# Altium PCB Thunderscope-E.PCBDOC (part 1 of 4) (continued)
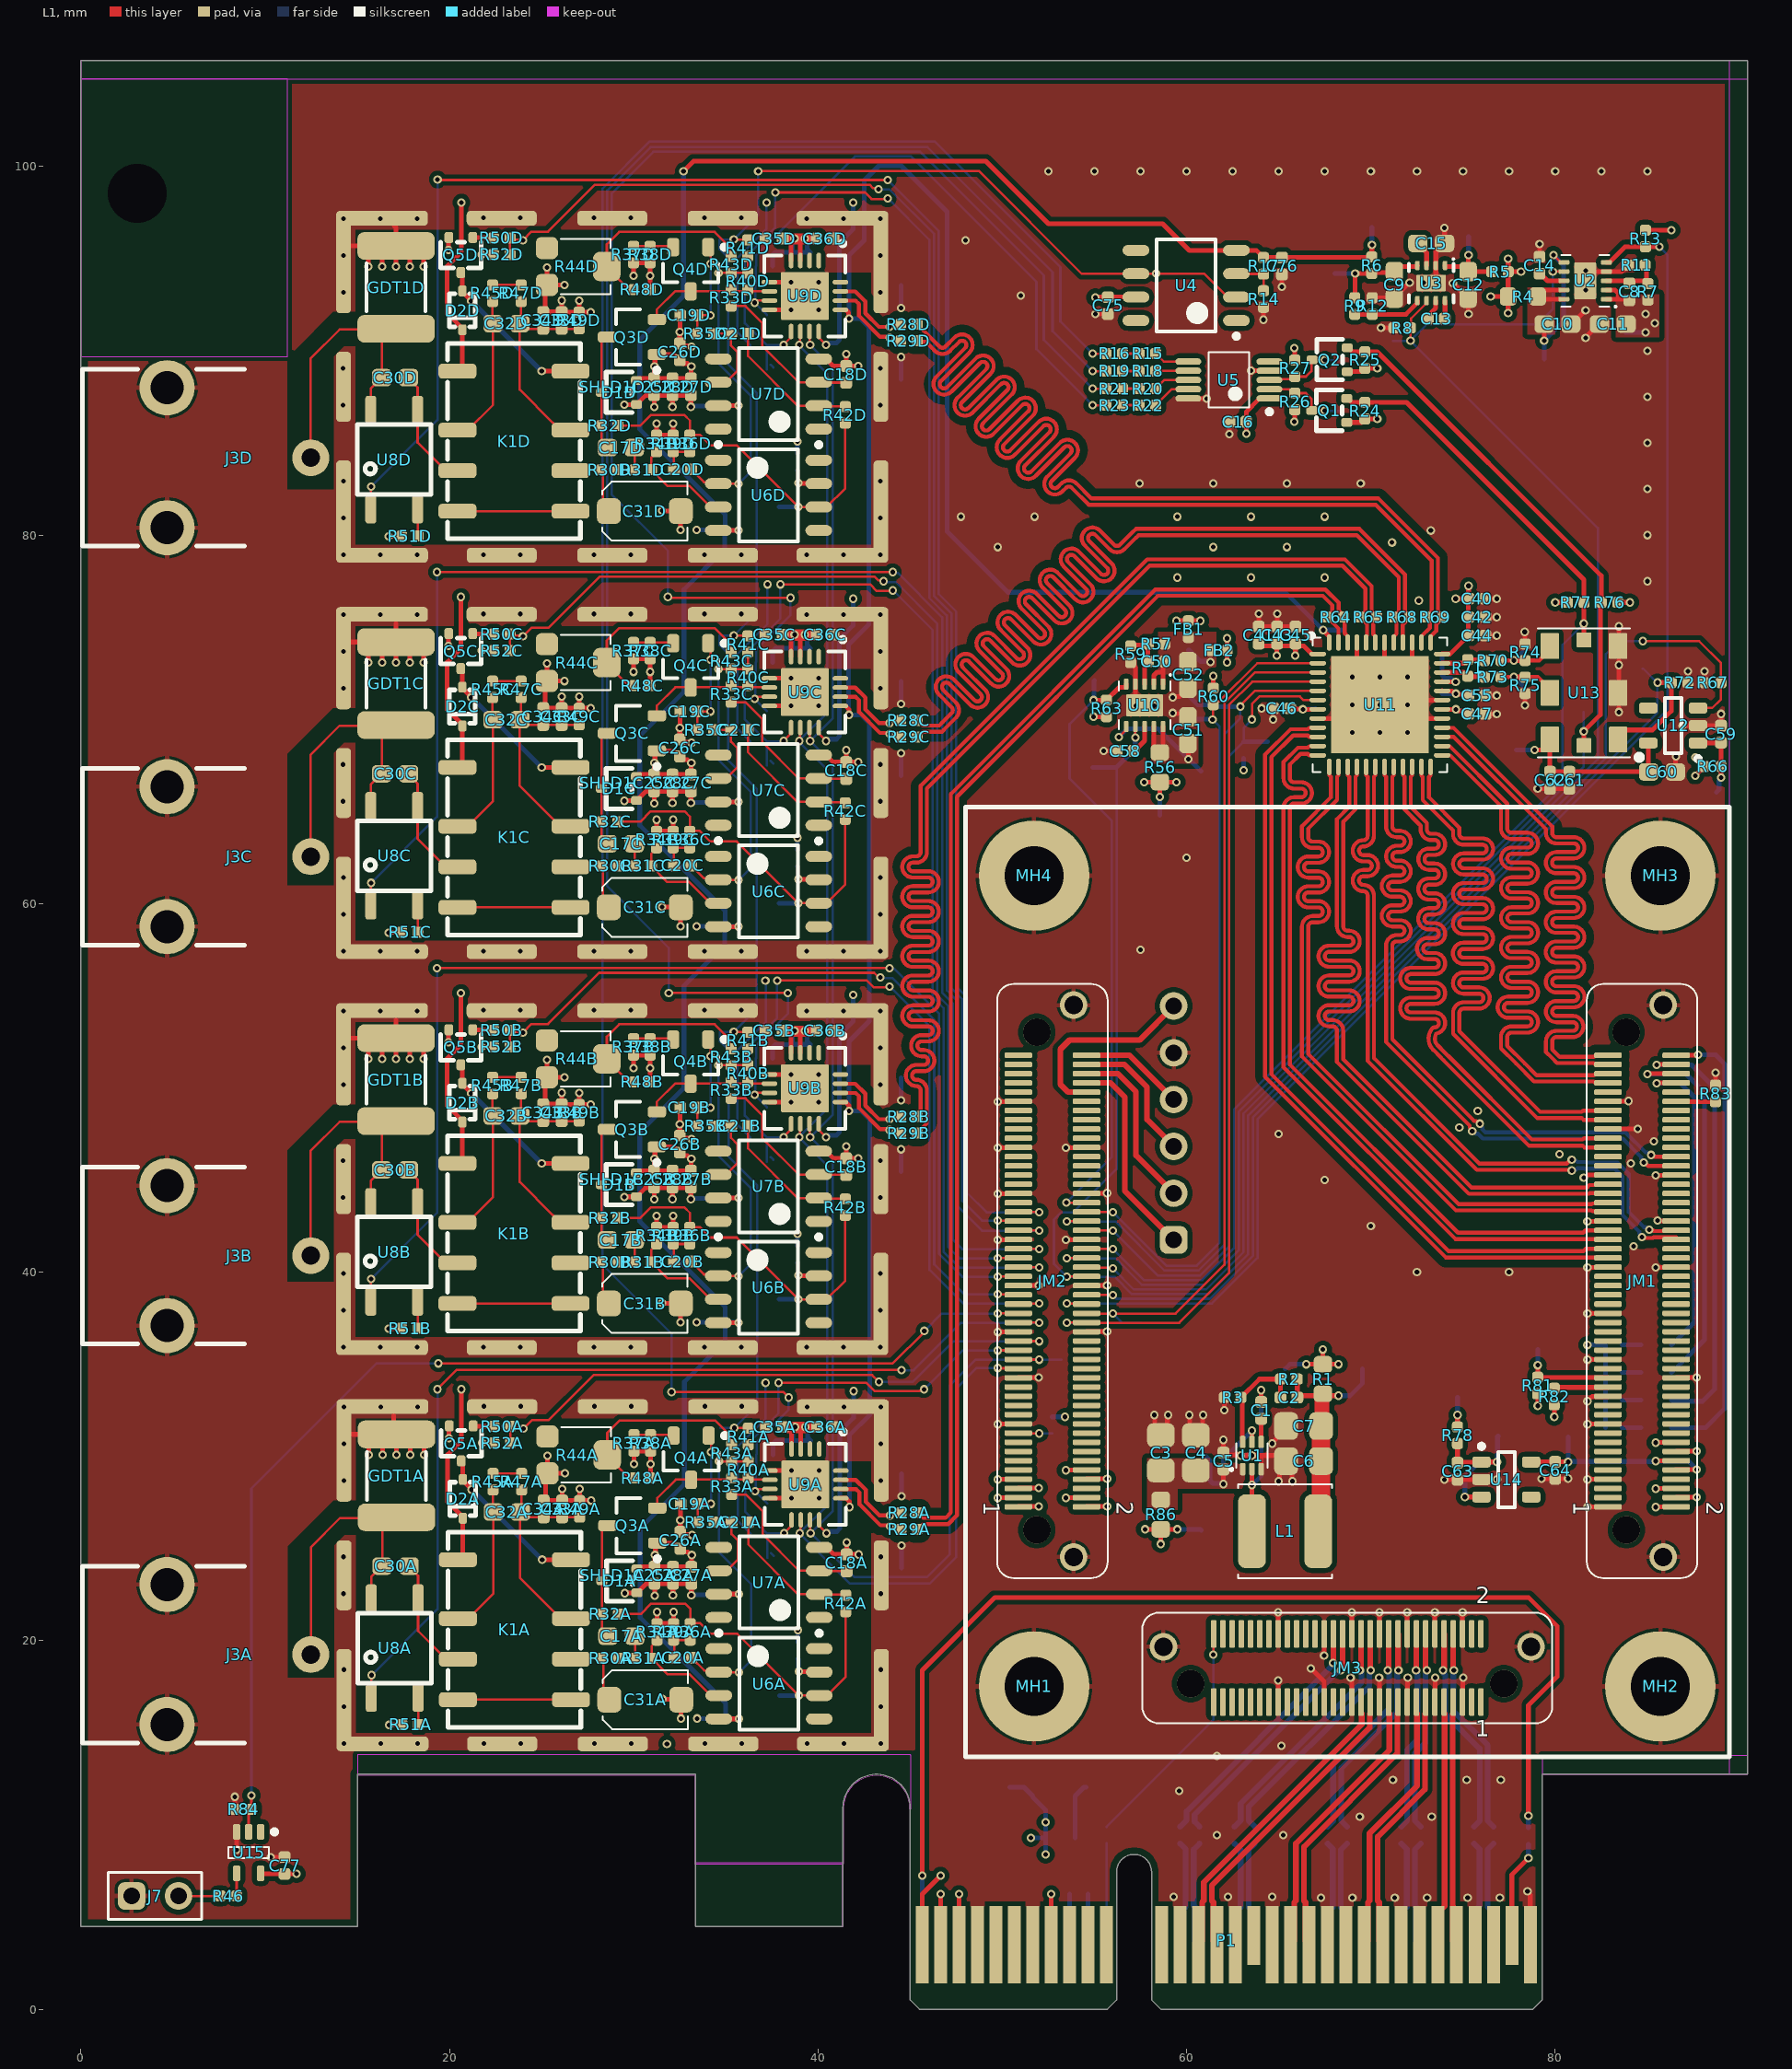
[diagram p0: L1 view]
## Components (designator, comment, footprint, x,y, rotation, side; value= is the part's Value field where it differs from the comment) (continued)
C30D "22nF" GEN_C_0603 17.05,88.55 r180 top (schematic designator C30)
C31A "5.5-20pF" EW_TRIMCAP 30.625,16.8 r90 top (schematic designator C31)
C31B "5.5-20pF" EW_TRIMCAP 30.6,38.301 r90 top (schematic designator C31)
C31C "5.5-20pF" EW_TRIMCAP 30.6,59.8 r90 top (schematic designator C31)
C31D "5.5-20pF" EW_TRIMCAP 30.6,81.3 r90 top (schematic designator C31)
C32A "15pF" GEN_C_0603 23.113,26.98 r180 top (schematic designator C32)
C32B "15pF" GEN_C_0603 23.088,48.481 r180 top (schematic designator C32)
C32C "15pF" GEN_C_0603 23.088,69.98 r180 top (schematic designator C32)
C32D "15pF" GEN_C_0603 23.088,91.48 r180 top (schematic designator C32)
C33A "1nF" GEN_C_0402 26.113,27.155 r270 top (schematic designator C33)
C33B "1nF" GEN_C_0402 26.088,48.656 r270 top (schematic designator C33)
C33C "1nF" GEN_C_0402 26.088,70.155 r270 top (schematic designator C33)
C33D "1nF" GEN_C_0402 26.088,91.655 r270 top (schematic designator C33)
C34A "470pF" GEN_C_0402 25.113,27.155 r270 top (schematic designator C34)
C34B "470pF" GEN_C_0402 25.088,48.656 r270 top (schematic designator C34)
C34C "470pF" GEN_C_0402 25.088,70.155 r270 top (schematic designator C34)
C34D "470pF" GEN_C_0402 25.088,91.655 r270 top (schematic designator C34)
C35A "1nF" GEN_C_0402 37.65,31.6 r0 top (schematic designator C35)
C35B "1nF" GEN_C_0402 37.625,53.101 r0 top (schematic designator C35)
C35C "1nF" GEN_C_0402 37.625,74.6 r0 top (schematic designator C35)
C35D "1nF" GEN_C_0402 37.625,96.1 r0 top (schematic designator C35)
C36A "10nF" GEN_C_0402 40.4,31.6 r180 top (schematic designator C36)
C36B "10nF" GEN_C_0402 40.375,53.101 r180 top (schematic designator C36)
C36C "10nF" GEN_C_0402 40.375,74.6 r180 top (schematic designator C36)
C36D "10nF" GEN_C_0402 40.375,96.1 r180 top (schematic designator C36)
C37A "100nF" GEN_C_0402 38.45,30.4 r90 bottom (schematic designator C37)
C37B "100nF" GEN_C_0402 38.425,51.901 r90 bottom (schematic designator C37)
C37C "100nF" GEN_C_0402 38.425,73.4 r90 bottom (schematic designator C37)
C37D "100nF" GEN_C_0402 38.425,94.9 r90 bottom (schematic designator C37)
C38A "1uF" GEN_C_0402 39.6,30.4 r90 bottom (schematic designator C38)
C38B "1uF" GEN_C_0402 39.575,51.901 r90 bottom (schematic designator C38)
C38C "1uF" GEN_C_0402 39.575,73.4 r90 bottom (schematic designator C38)
C38D "1uF" GEN_C_0402 39.575,94.9 r90 bottom (schematic designator C38)
C39A "100nF" GEN_C_0402 41.65,26.1 r180 bottom (schematic designator C39)
C39B "100nF" GEN_C_0402 41.625,47.601 r180 bottom (schematic designator C39)
C39C "100nF" GEN_C_0402 41.625,69.1 r180 bottom (schematic designator C39)
C39D "100nF" GEN_C_0402 41.625,90.6 r180 bottom (schematic designator C39)
C40 "1uF" GEN_C_0402 75.757,76.55 r180 top
C41 "1uF" GEN_C_0402 63.907,74.577 r270 top
C42 "10nF" GEN_C_0402 75.757,75.55 r180 top
C43 "10nF" GEN_C_0402 64.907,74.577 r270 top
C44 "1nF" GEN_C_0402 75.757,74.55 r180 top
C45 "1nF" GEN_C_0402 65.907,74.577 r270 top
C46 "10nF" GEN_C_0402 65.157,70.6 r0 top
C47 "10nF" GEN_C_0402 75.757,70.3 r180 top
C48 "1uF" GEN_C_0402 67.457,70.6 r180 bottom
C49 "1uF" GEN_C_0402 75.757,70.3 r180 bottom
C50 "10nF" GEN_C_0402 58.361,73.14 r0 top
C51 "10uF" GEN_C_0603 60.072,69.418 r270 top
C52 "10uF" GEN_C_0603 60.072,72.418 r90 top
C53 "1uF" GEN_C_0402 73.407,71.4 r0 bottom
C54 "10nF" GEN_C_0402 75.757,71.3 r180 bottom
C55 "1nF" GEN_C_0402 75.757,71.3 r180 top
C56 "10nF" GEN_C_0402 73.393,72.411 r0 bottom
C57 "1uF" GEN_C_0402 73.4,73.45 r0 bottom
C58 "100nF" GEN_C_0402 56.661,68.29 r0 top
C59 "1uF" GEN_C_0402 89,69.2 r270 top
C60 "10uF" GEN_C_0603 85.8,67.15 r180 top
C61 "1uF" GEN_C_0402 80.768,66.7 r90 top
C62 "100nF" GEN_C_0402 79.718,66.7 r90 top
C63 "1uF" GEN_C_0402 74.7,29.2 r90 top
C64 "1uF" GEN_C_0402 80,29.25 r90 top
C65 "100nF" GEN_C_0402 76.65,9.45 r270 bottom
C66 "100nF" GEN_C_0402 75.6,9.45 r270 bottom
C67 "100nF" GEN_C_0402 72.7,9.45 r270 bottom
C68 "100nF" GEN_C_0402 71.65,9.45 r270 bottom
C69 "100nF" GEN_C_0402 68.7,9.45 r270 bottom
C70 "100nF" GEN_C_0402 67.65,9.45 r270 bottom
C71 "100nF" GEN_C_0402 63.7,9.45 r270 bottom
C72 "100nF" GEN_C_0402 62.6,9.45 r270 bottom
C73 "100nF" GEN_C_0402 60.7,9.45 r270 bottom
C74 "100nF" GEN_C_0402 59.65,9.45 r270 bottom
C75 "100nF" GEN_C_0402 55.725,92.455 r270 top
C76 "100nF" GEN_C_0402 65.175,94.605 r90 top
C77 "100nF" GEN_C_0402 11.05,7.8 r90 top
D1A "BAV99W" GEN_SOT_323 29.225,23.25 r90 top (schematic designator D1)
D1B "BAV99W" GEN_SOT_323 29.2,44.751 r90 top (schematic designator D1)
D1C "BAV99W" GEN_SOT_323 29.2,66.25 r90 top (schematic designator D1)
D1D "BAV99W" GEN_SOT_323 29.2,87.75 r90 top (schematic designator D1)
D2A "1N4148" GEN_SOD_323 20.725,27.7 r90 top (schematic designator D2)
D2B "1N4148" GEN_SOD_323 20.7,49.201 r90 top (schematic designator D2)
D2C "1N4148" GEN_SOD_323 20.7,70.7 r90 top (schematic designator D2)
D2D "1N4148" GEN_SOD_323 20.7,92.2 r90 top (schematic designator D2)
D3 "GREEN" LED_0603_APT1608 85.489,36.053 r180 bottom
D4 "RED" LED_0603_APT1608 85.489,34.553 r180 bottom
D5 "GREEN" LED_0603_APT1608 85.489,33.053 r180 bottom
D6 "RED" LED_0603_APT1608 85.489,31.553 r180 bottom
FB1 "120@100MHZ" GEN_R_0402 60.1,74.9 r90 top
FB2 "120@100MHZ" GEN_R_0402 61.75,73.75 r0 top
GDT1A "GDT" BOU_2051 17.125,28.95 r90 top (schematic designator GDT1)
GDT1B "GDT" BOU_2051 17.1,50.451 r90 top (schematic designator GDT1)
GDT1C "GDT" BOU_2051 17.1,71.95 r90 top (schematic designator GDT1)
GDT1D "GDT" BOU_2051 17.1,93.45 r90 top (schematic designator GDT1)
J1A "UFL" TE_2334884-1 44.525,24.95 r0 bottom (schematic designator J1)
J1B "UFL" TE_2334884-1 44.5,46.451 r0 bottom (schematic designator J1)
J1C "UFL" TE_2334884-1 44.5,67.95 r0 bottom (schematic designator J1)
J1D "UFL" TE_2334884-1 44.5,89.45 r0 bottom (schematic designator J1)
J2A "UFL" TE_2334884-1 44.525,28.05 r180 bottom (schematic designator J2)
J2B "UFL" TE_2334884-1 44.5,49.551 r180 bottom (schematic designator J2)
J2C "UFL" TE_2334884-1 44.5,71.05 r180 bottom (schematic designator J2)
J2D "UFL" TE_2334884-1 44.5,92.55 r180 bottom (schematic designator J2)
J3A "BNC" MOL_0731000105 8.575,19.25 r90 top locked (schematic designator J3)
J3B "BNC" MOL_0731000105 8.575,40.9 r90 top locked (schematic designator J3)
J3C "BNC" MOL_0731000105 8.575,62.55 r90 top locked (schematic designator J3)
J3D "BNC" MOL_0731000105 8.575,84.2 r90 top locked (schematic designator J3)
J4 "UFL" TE_2334884-1 78.368,70.775 r0 bottom
J5 "UFL" TE_2334884-1 78.368,74.725 r180 bottom
J6 "2.54mm 6 Pin TH" GEN_2.54mm_6_Pin_TH_RA 59.3,48.1 r90 bottom
J7 "TSW-101-08-F-D-RA" GEN_2.54mm_1x2_Pin_TH_RA 4.02,6.15 r0 top locked
JM1 "LSHM-150-04.0-L-DV-A-S-K-TR" SAM_LSHM-150-XX.X-XX-DV-A-S 84.717,39.521 r270 top
JM2 "LSHM-150-04.0-L-DV-A-S-K-TR" SAM_LSHM-150-XX.X-XX-DV-A-S 52.717,39.521 r270 top
JM3 "LSHM-130-04.0-L-DV-A-S-K-TR" SAM_LSHM-130-XX.X-XX-DV-A-S 68.718,18.522 r0 top
K1A "FTR-B3SA" FUJ_FTR-B3SA 23.525,20.6 r270 top (schematic designator K1)
K1B "FTR-B3SA" FUJ_FTR-B3SA 23.5,42.101 r270 top (schematic designator K1)
K1C "FTR-B3SA" FUJ_FTR-B3SA 23.5,63.6 r270 top (schematic designator K1)
K1D "FTR-B3SA" FUJ_FTR-B3SA 23.5,85.1 r270 top (schematic designator K1)
L1 "4.7uH" TY_IND_NRS5030 65.35,25.95 r0 top
MH1 "M3" "MH M3" 51.717,17.521 r0 top
MH2 "M3" "MH M3" 85.717,17.521 r0 top
MH3 "M3" "MH M3" 85.717,61.521 r0 top
MH4 "M3" "MH M3" 51.717,61.521 r0 top
P1 "PCIeX4-GF-2D-1000-1K-O64" PCIeX4-GF-2D-1000-1K-O64 55.15,3.5 r0 top locked
Q1 "DMN62D0UW" GEN_SOT_323 67.74,86.77 r90 top
Q2 "DMN62D0UW" GEN_SOT_323 67.765,89.52 r90 top
Q3A "CPH3910" ON_SOT23_CPH3 29.925,26.25 r180 top (schematic designator Q3)
Q3B "CPH3910" ON_SOT23_CPH3 29.9,47.751 r180 top (schematic designator Q3)
Q3C "CPH3910" ON_SOT23_CPH3 29.9,69.25 r180 top (schematic designator Q3)
Q3D "CPH3910" ON_SOT23_CPH3 29.9,90.75 r180 top (schematic designator Q3)
Q4A "MMBT3904" MMC_SOT23 33.113,29.93 r270 top (schematic designator Q4)
Q4B "MMBT3904" MMC_SOT23 33.088,51.431 r270 top (schematic designator Q4)
Q4C "MMBT3904" MMC_SOT23 33.088,72.93 r270 top (schematic designator Q4)
Q4D "MMBT3904" MMC_SOT23 33.088,94.43 r270 top (schematic designator Q4)
Q5A "DMN62D0UW" GEN_SOT_323 20.638,30.705 r180 top (schematic designator Q5)
Q5B "DMN62D0UW" GEN_SOT_323 20.613,52.206 r180 top (schematic designator Q5)
Q5C "DMN62D0UW" GEN_SOT_323 20.613,73.705 r180 top (schematic designator Q5)
Q5D "DMN62D0UW" GEN_SOT_323 20.613,95.205 r180 top (schematic designator Q5)
R1 "0.01" GEN_R_0603 67.4,34.2 r90 top
R2 "57.6k" GEN_R_0402 65.55,34.2 r0 top
R3 "10K" GEN_R_0402 62.5,33.2 r0 top
R4 "0.01" GEN_R_0603 78.25,92.95 r0 top
R5 "0.1" GEN_R_0402 77,94.3 r180 top
R6 "0.1" GEN_R_0402 70.05,94.65 r90 top
R7 "5.23K" GEN_R_0402 85.025,93.205 r270 top
R8 "10K" GEN_R_0402 71.7,91.25 r0 top
R9 "309K" GEN_R_0402 69.126,92.434 r90 top
R10 "1K" GEN_R_0402 83.189,36.053 r180 bottom
R11 "1K" GEN_R_0402 84.425,94.655 r0 top
R12 "100k" GEN_R_0402 70.076,92.434 r270 top
R13 "10K" GEN_R_0402 84.9,96.1 r90 top
R14 "10K" GEN_R_0402 64.175,92.815 r270 top
R15 "100" GEN_R_0402 57.875,89.855 r0 top
R16 "100" GEN_R_0402 56.075,89.855 r0 top
R17 "10K" GEN_R_0402 64.175,94.615 r270 top
R18 "100" GEN_R_0402 57.875,88.905 r0 top
R19 "100" GEN_R_0402 56.075,88.905 r0 top
R20 "100" GEN_R_0402 57.875,87.955 r0 top
R21 "100" GEN_R_0402 56.075,87.955 r0 top
R22 "100" GEN_R_0402 57.875,87.055 r0 top
R23 "100" GEN_R_0402 56.075,87.055 r0 top
R24 "10K" GEN_R_0402 69.675,86.755 r270 top
R25 "10K" GEN_R_0402 69.675,89.505 r270 top
R26 "10K" GEN_R_0402 65.875,87.255 r270 top
R27 "10K" GEN_R_0402 65.875,89.055 r90 top
R28A "0" GEN_R_0402 44.95,26.95 r0 top (schematic designator R28)
R28B "0" GEN_R_0402 44.925,48.451 r0 top (schematic designator R28)
R28C "0" GEN_R_0402 44.925,69.95 r0 top (schematic designator R28)
R28D "0" GEN_R_0402 44.925,91.45 r0 top (schematic designator R28)
R29A "0" GEN_R_0402 44.95,26.05 r0 top (schematic designator R29)
R29B "0" GEN_R_0402 44.925,47.551 r0 top (schematic designator R29)
R29C "0" GEN_R_0402 44.925,69.05 r0 top (schematic designator R29)
R29D "0" GEN_R_0402 44.925,90.55 r0 top (schematic designator R29)
R30A "49.9" GEN_R_0402 28.725,19.05 r0 top (schematic designator R30)
R30B "49.9" GEN_R_0402 28.7,40.551 r0 top (schematic designator R30)
R30C "49.9" GEN_R_0402 28.7,62.05 r0 top (schematic designator R30)
R30D "49.9" GEN_R_0402 28.7,83.55 r0 top (schematic designator R30)
R31A "909k" GEN_R_0402 30.525,19.05 r180 top (schematic designator R31)
R31B "909k" GEN_R_0402 30.5,40.551 r180 top (schematic designator R31)
R31C "909k" GEN_R_0402 30.5,62.05 r180 top (schematic designator R31)
R31D "909k" GEN_R_0402 30.5,83.55 r180 top (schematic designator R31)
R32A "1M" GEN_R_0402 28.725,21.45 r180 top (schematic designator R32)
R32B "1M" GEN_R_0402 28.7,42.951 r180 top (schematic designator R32)
R32C "1M" GEN_R_0402 28.7,64.45 r180 top (schematic designator R32)
R32D "1M" GEN_R_0402 28.7,85.95 r180 top (schematic designator R32)
R33A "1M" GEN_R_0402 35.313,28.38 r270 top (schematic designator R33)
R33B "1M" GEN_R_0402 35.288,49.881 r270 top (schematic designator R33)
R33C "1M" GEN_R_0402 35.288,71.38 r270 top (schematic designator R33)
R33D "1M" GEN_R_0402 35.288,92.88 r270 top (schematic designator R33)
R34A "90.9k" GEN_R_0402 31.263,20.48 r270 top (schematic designator R34)
R34B "90.9k" GEN_R_0402 31.238,41.981 r270 top (schematic designator R34)
R34C "90.9k" GEN_R_0402 31.238,63.48 r270 top (schematic designator R34)
R34D "90.9k" GEN_R_0402 31.238,84.98 r270 top (schematic designator R34)
R35A "1K" GEN_R_0402 33.913,26.43 r0 top (schematic designator R35)
R35B "1K" GEN_R_0402 33.888,47.931 r0 top (schematic designator R35)
R35C "1K" GEN_R_0402 33.888,69.43 r0 top (schematic designator R35)
R35D "1K" GEN_R_0402 33.888,90.93 r0 top (schematic designator R35)
R36A "909k" GEN_R_0402 33.063,20.48 r90 top (schematic designator R36)
R36B "909k" GEN_R_0402 33.038,41.981 r90 top (schematic designator R36)
R36C "909k" GEN_R_0402 33.038,63.48 r90 top (schematic designator R36)
R36D "909k" GEN_R_0402 33.038,84.98 r90 top (schematic designator R36)
R37A "100" GEN_R_0402 30.013,30.73 r90 top (schematic designator R37)
R37B "100" GEN_R_0402 29.988,52.231 r90 top (schematic designator R37)
R37C "100" GEN_R_0402 29.988,73.73 r90 top (schematic designator R37)
R37D "100" GEN_R_0402 29.988,95.23 r90 top (schematic designator R37)
R38A "100" GEN_R_0402 30.913,30.73 r90 top (schematic designator R38)
R38B "100" GEN_R_0402 30.888,52.231 r90 top (schematic designator R38)
R38C "100" GEN_R_0402 30.888,73.73 r90 top (schematic designator R38)
R38D "100" GEN_R_0402 30.888,95.23 r90 top (schematic designator R38)
R39A "90.9k" GEN_R_0402 32.163,20.48 r270 top (schematic designator R39)
R39B "90.9k" GEN_R_0402 32.138,41.981 r270 top (schematic designator R39)
R39C "90.9k" GEN_R_0402 32.138,63.48 r270 top (schematic designator R39)
R39D "90.9k" GEN_R_0402 32.138,84.98 r270 top (schematic designator R39)
R40A "909k" GEN_R_0402 36.213,29.28 r270 top (schematic designator R40)
R40B "909k" GEN_R_0402 36.188,50.781 r270 top (schematic designator R40)
R40C "909k" GEN_R_0402 36.188,72.28 r270 top (schematic designator R40)
R40D "909k" GEN_R_0402 36.188,93.78 r270 top (schematic designator R40)
R41A "909k" GEN_R_0402 36.213,31.08 r270 top (schematic designator R41)
R41B "909k" GEN_R_0402 36.188,52.581 r270 top (schematic designator R41)
R41C "909k" GEN_R_0402 36.188,74.08 r270 top (schematic designator R41)
R41D "909k" GEN_R_0402 36.188,95.58 r270 top (schematic designator R41)
R42A "1M" GEN_R_0402 41.5,22.025 r90 top (schematic designator R42)
R42B "1M" GEN_R_0402 41.475,43.526 r90 top (schematic designator R42)
R42C "1M" GEN_R_0402 41.475,65.025 r90 top (schematic designator R42)
R42D "1M" GEN_R_0402 41.475,86.525 r90 top (schematic designator R42)
R43A "100k" GEN_R_0402 35.313,30.18 r270 top (schematic designator R43)
R43B "100k" GEN_R_0402 35.288,51.681 r270 top (schematic designator R43)
R43C "100k" GEN_R_0402 35.288,73.18 r270 top (schematic designator R43)
R43D "100k" GEN_R_0402 35.288,94.68 r270 top (schematic designator R43)
R44A "5K TRIMPOT" BOU_3mm_POT 26.863,30.08 r270 top value=5K (schematic designator R44)
R44B "5K TRIMPOT" BOU_3mm_POT 26.838,51.581 r270 top value=5K (schematic designator R44)
R44C "5K TRIMPOT" BOU_3mm_POT 26.838,73.08 r270 top value=5K (schematic designator R44)
R44D "5K TRIMPOT" BOU_3mm_POT 26.838,94.58 r270 top value=5K (schematic designator R44)
R45A "309K" GEN_R_0402 22.363,28.63 r90 top (schematic designator R45)
R45B "309K" GEN_R_0402 22.338,50.131 r90 top (schematic designator R45)
R45C "309K" GEN_R_0402 22.338,71.63 r90 top (schematic designator R45)
R45D "309K" GEN_R_0402 22.338,93.13 r90 top (schematic designator R45)
R46 "0" GEN_R_0402 8,6.15 r0 top
R47A "681K" GEN_R_0402 23.913,28.63 r270 top (schematic designator R47)
R47B "681K" GEN_R_0402 23.888,50.131 r270 top (schematic designator R47)
R47C "681K" GEN_R_0402 23.888,71.63 r270 top (schematic designator R47)
R47D "681K" GEN_R_0402 23.888,93.13 r270 top (schematic designator R47)
R48A "DNP" GEN_R_0402 30.463,28.83 r180 top (schematic designator R48)
R48B "DNP" GEN_R_0402 30.438,50.331 r180 top (schematic designator R48)
R48C "DNP" GEN_R_0402 30.438,71.83 r180 top (schematic designator R48)
R48D "DNP" GEN_R_0402 30.438,93.33 r180 top (schematic designator R48)
R49A "10K" GEN_R_0402 27.063,27.155 r270 top (schematic designator R49)
R49B "10K" GEN_R_0402 27.038,48.656 r270 top (schematic designator R49)
R49C "10K" GEN_R_0402 27.038,70.155 r270 top (schematic designator R49)
R49D "10K" GEN_R_0402 27.038,91.655 r270 top (schematic designator R49)
R50A "10K" GEN_R_0402 22.863,31.63 r0 top (schematic designator R50)
R50B "10K" GEN_R_0402 22.838,53.131 r0 top (schematic designator R50)
R50C "10K" GEN_R_0402 22.838,74.63 r0 top (schematic designator R50)
R50D "10K" GEN_R_0402 22.838,96.13 r0 top (schematic designator R50)
R51A "1K" GEN_R_0402 17.875,15.45 r0 top (schematic designator R51)
R51B "1K" GEN_R_0402 17.85,36.951 r0 top (schematic designator R51)
R51C "1K" GEN_R_0402 17.85,58.45 r0 top (schematic designator R51)
R51D "1K" GEN_R_0402 17.85,79.95 r0 top (schematic designator R51)
R52A "10K" GEN_R_0402 22.863,30.73 r0 top (schematic designator R52)
R52B "10K" GEN_R_0402 22.838,52.231 r0 top (schematic designator R52)
R52C "10K" GEN_R_0402 22.838,73.73 r0 top (schematic designator R52)
R52D "10K" GEN_R_0402 22.838,95.23 r0 top (schematic designator R52)
R53A "10K" GEN_R_0402 36.8,25.8 r180 bottom (schematic designator R53)
R53B "10K" GEN_R_0402 36.775,47.301 r180 bottom (schematic designator R53)
R53C "10K" GEN_R_0402 36.775,68.8 r180 bottom (schematic designator R53)
R53D "10K" GEN_R_0402 36.775,90.3 r180 bottom (schematic designator R53)
R54A "100" GEN_R_0402 37.1,30.1 r0 bottom (schematic designator R54)
R54B "100" GEN_R_0402 37.075,51.601 r0 bottom (schematic designator R54)
R54C "100" GEN_R_0402 37.075,73.1 r0 bottom (schematic designator R54)
R54D "100" GEN_R_0402 37.075,94.6 r0 bottom (schematic designator R54)
R55A "100" GEN_R_0402 37.1,29.2 r180 bottom (schematic designator R55)
R55B "100" GEN_R_0402 37.075,50.701 r180 bottom (schematic designator R55)
R55C "100" GEN_R_0402 37.075,72.2 r180 bottom (schematic designator R55)
R55D "100" GEN_R_0402 37.075,93.7 r180 bottom (schematic designator R55)
R56 "0.01" GEN_R_0603 58.55,67.4 r90 top
R57 "1.24K" GEN_R_0402 58.361,74.09 r0 top
R58 "10K" GEN_R_0402 56.2,67.85 r270 bottom
R59 "1K" GEN_R_0402 56.961,73.54 r90 top
R60 "10K" GEN_R_0402 61.45,71.25 r90 top
R61 "10K" GEN_R_0402 61.45,71.25 r90 bottom
R62 "10K" GEN_R_0402 63.1,68.35 r270 bottom
R63 "10K" GEN_R_0402 55.65,70.6 r270 top
R64 "100" GEN_R_0402 68.068,75.55 r180 top
R65 "100" GEN_R_0402 69.868,75.55 r180 top
R66 "0.1" GEN_R_0402 88.55,67.45 r0 top
R67 "10K" GEN_R_0402 88.55,72 r0 top
R68 "100" GEN_R_0402 71.668,75.55 r180 top
R69 "100" GEN_R_0402 73.468,75.55 r180 top
R70 "0" GEN_R_0402 76.607,73.2 r180 top
R71 "100" GEN_R_0402 75.257,72.8 r90 top
R72 "10K" GEN_R_0402 86.75,72 r180 top
R73 "0" GEN_R_0402 76.607,72.3 r180 top
R74 "150" GEN_R_0402 78.368,73.65 r270 top
R75 "150" GEN_R_0402 78.368,71.85 r90 top
R76 "10K" GEN_R_0402 82.95,76.35 r0 top
R77 "10K" GEN_R_0402 81.118,76.35 r180 top
R78 "0.1" GEN_R_0402 74.7,31.15 r270 top
R79 "49.9" GEN_R_0402 55.65,9.45 r90 bottom
R80 "10K" GEN_R_0402 52.7,31.7 r90 bottom
R81 "10K" GEN_R_0402 79.05,33.85 r270 top
R82 "10K" GEN_R_0402 79.95,33.25 r270 top
R83 "10K" GEN_R_0402 88.7,49.7 r270 top
R84 "10K" GEN_R_0402 8.8,10.85 r0 top
R85 "0" GEN_R_0402 78.55,9.4 r270 bottom
R86 "0.01" GEN_R_0603 58.6,26.85 r90 top
R87 "0.01" GEN_R_0603 53.15,9.3 r180 bottom
R88 "1K" GEN_R_0402 83.189,34.553 r180 bottom
R89 "1K" GEN_R_0402 83.189,33.053 r180 bottom
R90 "1K" GEN_R_0402 83.189,31.553 r180 bottom
SHLD1A "2118728-2" TE_2118728-2 28.856,23.553 r180 top locked (schematic designator SHLD1)
SHLD1B "2118728-2" TE_2118728-2 28.831,45.054 r180 top (schematic designator SHLD1)
SHLD1C "2118728-2" TE_2118728-2 28.831,66.553 r180 top (schematic designator SHLD1)
SHLD1D "2118728-2" TE_2118728-2 28.831,88.053 r180 top (schematic designator SHLD1)
TP1 "5015" KEY_5015 69.55,34.75 r270 bottom
TP2 "5015" KEY_5015 65.35,34.75 r270 bottom
TP3 "5019" KEY_5019 87,103.2 r0 bottom
TP4 "PCB" GEN_TP_PCB 79.4,89.55 r90 bottom
TP5 "PCB" GEN_TP_PCB 83.8,91 r90 bottom
TP6 "PCB" GEN_TP_PCB 75.3,96.2 r0 bottom
TP7 "PCB" GEN_TP_PCB 68.05,94.2 r0 bottom
TP8 "PCB" GEN_TP_PCB 77.4,92.95 r90 bottom
TP9 "PCB" GEN_TP_PCB 77.45,96.2 r0 bottom
TP10 "PCB" GEN_TP_PCB 70.05,96.7 r0 bottom
TP11 "PCB" GEN_TP_PCB 84.65,95.65 r90 bottom
TP12 "PCB" GEN_TP_PCB 68.4,74.85 r180 bottom
TP13 "PCB" GEN_TP_PCB 71.2,90.55 r0 bottom
TP14 "PCB" GEN_TP_PCB 53.2,35.25 r315 bottom
TP15 "PCB" GEN_TP_PCB 49.75,33.6 r315 bottom
TP16 "PCB" GEN_TP_PCB 59.45,94.2 r270 bottom
TP17 "PCB" GEN_TP_PCB 68.501,86.755 r180 bottom
TP18 "5019" KEY_5019 24.4,16.2 r180 bottom
TP19 "PCB" GEN_TP_PCB 68.501,89.505 r180 bottom
TP20A "PCB" GEN_TP_PCB 37.25,24.5 r180 bottom (schematic designator TP20)
TP20B "PCB" GEN_TP_PCB 37.225,46.001 r180 bottom (schematic designator TP20)
TP20C "PCB" GEN_TP_PCB 37.225,67.5 r180 bottom (schematic designator TP20)
TP20D "PCB" GEN_TP_PCB 37.225,89 r180 bottom (schematic designator TP20)
TP21A "PCB" GEN_TP_PCB 22.863,31.63 r180 bottom (schematic designator TP21)
TP21B "PCB" GEN_TP_PCB 22.838,53.131 r180 bottom (schematic designator TP21)
TP21C "PCB" GEN_TP_PCB 22.838,74.63 r180 bottom (schematic designator TP21)
TP21D "PCB" GEN_TP_PCB 22.838,96.13 r180 bottom (schematic designator TP21)
TP22A "PCB" GEN_TP_PCB 15.763,16.93 r180 bottom (schematic designator TP22)
TP22B "PCB" GEN_TP_PCB 15.738,38.431 r180 bottom (schematic designator TP22)
TP22C "PCB" GEN_TP_PCB 15.738,59.93 r180 bottom (schematic designator TP22)
TP22D "PCB" GEN_TP_PCB 15.738,81.43 r180 bottom (schematic designator TP22)
TP23A "PCB" GEN_TP_PCB 37.913,17.03 r180 bottom (schematic designator TP23)
TP23B "PCB" GEN_TP_PCB 37.888,38.531 r180 bottom (schematic designator TP23)
TP23C "PCB" GEN_TP_PCB 37.888,60.03 r180 bottom (schematic designator TP23)
TP23D "PCB" GEN_TP_PCB 37.888,81.53 r180 bottom (schematic designator TP23)
TP24A "PCB" GEN_TP_PCB 37.25,27.45 r225 bottom (schematic designator TP24)
TP24B "PCB" GEN_TP_PCB 37.225,48.951 r225 bottom (schematic designator TP24)
TP24C "PCB" GEN_TP_PCB 37.225,70.45 r225 bottom (schematic designator TP24)
TP24D "PCB" GEN_TP_PCB 37.225,91.95 r225 bottom (schematic designator TP24)
TP25 "PCB" GEN_TP_PCB 60.8,67.2 r90 bottom
TP26 "PCB" GEN_TP_PCB 60.1,73.75 r90 bottom
TP27 "PCB" GEN_TP_PCB 58.55,64.8 r90 bottom
TP28 "PCB" GEN_TP_PCB 60.123,70.024 r225 bottom
TP29 "PCB" GEN_TP_PCB 60.106,71.864 r270 bottom
TP30 "PCB" GEN_TP_PCB 64.4,68.8 r270 bottom
TP31 "PCB" GEN_TP_PCB 55,72.1 r270 bottom
TP32 "PCB" GEN_TP_PCB 57.2,37.25 r270 bottom
TP33 "PCB" GEN_TP_PCB 54.7,37.25 r270 bottom
TP34 "PCB" GEN_TP_PCB 54.9,67.4 r90 bottom
TP35 "PCB" GEN_TP_PCB 88.75,66.05 r90 bottom
TP36 "PCB" GEN_TP_PCB 77.9,68.35 r0 bottom
TP37 "PCB" GEN_TP_PCB 87,66.05 r90 bottom
TP38 "PCB" GEN_TP_PCB 84.75,72.75 r90 bottom
TP39 "PCB" GEN_TP_PCB 81.55,70.4 r0 bottom
TP41 "PCB" GEN_TP_PCB 81.559,76.341 r0 bottom
TP42 "PCB" GEN_TP_PCB 74.7,33.2 r90 bottom
TP43 "PCB" GEN_TP_PCB 76.9,31.1 r0 bottom
TP44 "PCB" GEN_TP_PCB 80.7,31.05 r0 bottom
TP45 "PCB" GEN_TP_PCB 79.05,35.8 r90 bottom
TP46 "PCB" GEN_TP_PCB 61.45,20.35 r90 bottom
TP47 "5015" KEY_5015 60.8,26 r90 bottom
TP48 "5015" KEY_5015 60.8,30.25 r270 bottom
TP49 "5019" KEY_5019 13.7,103.2 r180 bottom
TP50 "5015" KEY_5015 54.55,12.05 r180 bottom
TP51 "5015" KEY_5015 50.4,12.05 r180 bottom
U1 "TPS562202" TI_SOT563_DRL0006A 63.55,30.05 r90 top
U2 "TPS7A9101" TI_WSON10_DSK0010A 81.625,93.805 r180 top
U3 "LM27761" TI_WSON8_DSG0008A 73.276,93.684 r270 top
U4 "OP07CDR" TI_SOIC8_D0008A 59.975,93.555 r180 top
U5 "MCP4728" MC_MSOP10_UN 62.29,88.42 r180 top
U6A "OP07CDR" TI_SOIC8_D0008A 37.338,17.661 r0 top (schematic designator U6)
U6B "OP07CDR" TI_SOIC8_D0008A 37.313,39.162 r0 top (schematic designator U6)
U6C "OP07CDR" TI_SOIC8_D0008A 37.313,60.661 r0 top (schematic designator U6)
U6D "OP07CDR" TI_SOIC8_D0008A 37.313,82.161 r0 top (schematic designator U6)
U7A "OP07CDR" TI_SOIC8_D0008A 37.338,23.161 r180 top (schematic designator U7)
U7B "OP07CDR" TI_SOIC8_D0008A 37.313,44.662 r180 top (schematic designator U7)
U7C "OP07CDR" TI_SOIC8_D0008A 37.313,66.161 r180 top (schematic designator U7)
U7D "OP07CDR" TI_SOIC8_D0008A 37.313,87.661 r180 top (schematic designator U7)
U8A "CPC1017NTR" IXY_CPC1017 17.025,19.6 r0 top (schematic designator U8)
U8B "CPC1017NTR" IXY_CPC1017 17,41.101 r0 top (schematic designator U8)
U8C "CPC1017NTR" IXY_CPC1017 17,62.6 r0 top (schematic designator U8)
U8D "CPC1017NTR" IXY_CPC1017 17,84.1 r0 top (schematic designator U8)
U9A "LMH6518" TI_WQFN_RGH0016A 39.313,28.48 r270 top (schematic designator U9)
U9B "LMH6518" TI_WQFN_RGH0016A 39.288,49.981 r270 top (schematic designator U9)
U9C "LMH6518" TI_WQFN_RGH0016A 39.288,71.48 r270 top (schematic designator U9)
U9D "LMH6518" TI_WQFN_RGH0016A 39.288,92.98 r270 top (schematic designator U9)
U10 "TPS7A9101" TI_WSON10_DSK0010A 57.722,70.768 r270 top
U11 "HMCAD1511" AD_QFN48_LP7 70.493,70.8 r0 top
U12 "TPS7A2033" GEN_SOT23_5_950_2900X1600X1450 86.4,69.668 r180 top
U13 "LMK61E2-SIAT" TI_QFM8_SIA0008B 81.565,71.445 r180 top
U14 "TPS7A2025" GEN_SOT23_5_950_2900X1600X1450 77.35,28.75 r0 top
U15 "SN74LVC1G17" GEN_SC-70-5 9.1,8.5 r270 top

## Footprints (in the part's own frame and the unit in brackets; to place one, negate y for a bottom-side part, rotate by r counter-clockwise, add the part's x,y. Pads: shape width x height; smd on the part's side, far side on the other; paste and mask are expansions set on the pad)
AD_QFN48_LP7 [mm] "QFN, 48-Leads, Body 7.00x7.00mm, Pitch 0.50mm, Thermal Pad 5.28x5.28mm, IPC Medium Density"
  oval 0.9x0.25 smd: 1(-3.375,2.75) 2(-3.375,2.25) 3(-3.375,1.75) 4(-3.375,1.25) 5(-3.375,0.75) 6(-3.375,0.25) 7(-3.375,-0.25) 8(-3.375,-0.75) 9(-3.375,-1.25) 10(-3.375,-1.75) 11(-3.375,-2.25) 12(-3.375,-2.75) 25(3.375,-2.75) 26(3.375,-2.25) 27(3.375,-1.75) 28(3.375,-1.25) 29(3.375,-0.75) 30(3.375,-0.25) 31(3.375,0.25) 32(3.375,0.75) 33(3.375,1.25) 34(3.375,1.75) 35(3.375,2.25) 36(3.375,2.75)
  oval 0.25x0.9 smd: 13(-2.75,-3.375) 14(-2.25,-3.375) 15(-1.75,-3.375) 16(-1.25,-3.375) 17(-0.75,-3.375) 18(-0.25,-3.375) 19(0.25,-3.375) 20(0.75,-3.375) 21(1.25,-3.375) 22(1.75,-3.375) 23(2.25,-3.375) 24(2.75,-3.375) 37(2.75,3.375) 38(2.25,3.375) 39(1.75,3.375) 40(1.25,3.375) 41(0.75,3.375) 42(0.25,3.375) 43(-0.25,3.375) 44(-0.75,3.375) 45(-1.25,3.375) 46(-1.75,3.375) 47(-2.25,3.375) 48(-2.75,3.375)
  rect 5.28x5.28 smd paste-5.28: 49(0,0)
  silkscreen extent -3.86,-3.65 3.65,3.87, body extent -3.5,-3.5 3.5,3.5, height 1
BOU_3mm_POT [mm]
  rrect50% 1.2x1.2 smd: 1(-1,-1.55) 3(1,-1.55)
  rrect50% 1.6x1.5 smd: 2(0,1.7)
  silkscreen extent -1.5,-0.8 1.5,1.9, body extent -1.8,-1.76 1.8,2.2, height 1.13
BOU_2051 [mm]
  rrect50% 1.5x4.2 smd: 1(-2.25,0) 2(2.25,0)
  silkscreen extent -1.3,-1.6 1.3,1.6, body extent -2.25,-1.6 2.25,1.6, height 2.7
EW_TRIMCAP [mm]
  rrect50% 1.4x1.3 smd: 1(0,1.95) 2(0,-1.95)
  silkscreen extent -1.6,-2.3 1.6,2.3, body extent -1.6,-2.3 1.6,2.3, height 1.5
FUJ_FTR-B3SA [mm]
  rrect50% 0.8x2.06 smd: 1(-3.8,-3.07) 2(-0.6,-3.07) 3(1.6,-3.07) 4(3.8,-3.07) 5(3.8,3.07) 6(1.6,3.07) 7(-0.6,3.07) 8(-3.8,3.07)
  silkscreen extent -5.3,-3.6 5.3,3.6, body extent -5.43,-3.73 5.43,3.73, height 5.45
GEN_2.54mm_1x2_Pin_TH_RA [mm]
  rrect50% 1.5x1.5 hole 0.9: 1(-1.27,0)
  round 1.5 hole 0.9: 2(1.27,0)
  silkscreen extent -2.54,-1.27 2.54,1.27, body extent -11.18,-1.27 1.58,1.27, height 5.54
GEN_2.54mm_6_Pin_TH_RA [mm]
  rrect50% 1.5x1.5 hole 0.9: 1(-6.35,0)
  round 1.5 hole 0.9: 2(-3.81,0) 3(-1.27,0) 4(1.27,0) 5(3.81,0) 6(6.35,0)
  silkscreen extent -7.62,-1.27 7.62,1.27, body extent -7.62,-0.3 7.62,10.06, height 2.54
GEN_C_0402 [mm] "Chip Capacitor, 0402, IPC Medium Density"
  rrect50% 0.64x0.64 smd: 1(-0.46,0) 2(0.46,0)
  body extent -0.55,-0.3 0.55,0.3, height 0.6
GEN_C_0603 [mm] "Chip Capacitor, 2-Leads, Body 1.60x0.80mm, IPC Medium Density"
  rrect50% 1.05x0.95 smd: 1(-0.725,0) 2(0.725,0)
  body extent -0.85,-0.45 0.85,0.45, height 0.9
GEN_C_0805 [mm] "Chip Capacitor, 2-Leads, Body 2.00x1.25mm, IPC Medium Density"
  rrect50% 1.3x1.5 smd: 1(-0.95,0) 2(0.95,0)
  body extent -1.1,-0.72 1.1,0.73, height 1.45
GEN_R_0402 [mm] "Chip Resistor, 2-Leads, Body 1.00x0.50mm, IPC Medium Density"
  rrect50% 0.6x0.6 smd: 1(-0.45,0) 2(0.45,0)
  body extent -0.55,-0.3 0.55,0.3, height 0.4
GEN_R_0603 [mm]
  rrect50% 0.9x1 smd: 1(-0.8,0) 2(0.8,0)
  body extent -0.9,-0.5 0.9,0.5, height 0.6
GEN_SC-70-5 [mm] "SOT23, 5-Leads, Body 2.00x2.10mm, Pitch 0.65mm, IPC Medium Density"
  rrect50% 0.85x0.4 smd: 1(-1.125,0.65) 2(-1.125,0) 3(-1.125,-0.65) 4(1.125,-0.65) 5(1.125,0.65)
  silkscreen extent -1.25,-1.1 0.3,1.53, body extent -1.2,-1.07 1.2,1.07, height 1.1
GEN_SOD_323 [mm]
  rrect50% 0.59x0.45 smd: 1(-1.055,0) 2(1.055,0)
  silkscreen extent -0.9,-0.7 0.9,0.7, body extent -1.03,-0.83 1.03,0.83, height 1.1
GEN_SOT23_5_950_2900X1600X1450 [mm] "SOT23, 5-Leads, Body 2.90x2.80mm, Pitch 0.95mm, IPC Medium Density"
  rrect50% 1x0.6 smd: 1(-1.35,0.95) 2(-1.35,0) 3(-1.35,-0.95) 4(1.35,-0.95) 5(1.35,0.95)
  silkscreen extent -1.47,-1.5 0.45,1.92, body extent -1.5,-1.5 1.5,1.5, height 1.45
GEN_SOT_323 [mm]
  rrect50% 0.47x0.6 smd: 1(0,0.95) 2(-0.65,-0.95) 3(0.65,-0.95)
  silkscreen extent -1.1,-0.7 1.1,0.7, body extent -1.23,-0.83 1.23,0.83, height 1.1
GEN_TP_PCB [mm]
  round 1 smd: 1(0,0)
IXY_CPC1017 [mm]
  rrect50% 0.6x1.54 smd: 1(-1.27,-2.695) 2(1.27,-2.695) 3(1.27,2.695) 4(-1.27,2.695)
  silkscreen extent -2,-1.9 2,1.9, body extent -2.13,-2.03 2.13,2.03, height 2
KEY_5015 [mm] "PC TEST POINT MICRO MINIATURE"
  rrect10% 2.75x1.2 smd: 1(0,0)
  body extent -1.56,-0.51 1.56,0.51, height 1.52
KEY_5019 [mm] "PC TEST POINT MINIATURE"
  rrect10% 3.8x2.03 smd: 1(0,0)
  body extent -1.9,-1 1.91,1.03, height 2.29
LED_0603_APT1608 [mm]
  rrect50% 0.8x0.8 smd: 1(-0.825,0) 2(0.825,0)
  silkscreen extent -0.2,-0.4 0.2,0.4, body extent -0.81,-0.4 0.81,0.4, height 0.74
MC_MSOP10_UN [mm] "TSSOP, 10-Leads, Body 3.00x3.00mm, Pitch 0.50mm, IPC Medium Density"
  oval 1.4x0.35 smd: 1(-2.2,1) 2(-2.2,0.5) 3(-2.2,0) 4(-2.2,-0.5) 5(-2.2,-1) 6(2.2,-1) 7(2.2,-0.5) 8(2.2,0) 9(2.2,0.5) 10(2.2,1)
  silkscreen extent -2.32,-1.5 1.1,1.85, body extent -2.45,-1.5 2.45,1.5, height 1.1
"MH M3" [mm]
  round 6 hole 3.2: 1(0,0)
MMC_SOT23 [mm] "SOT23, 3-Leads, Body 2.92x2.37mm, Pitch 0.95mm, Height 1.12mm, IPC Medium Density"
  rrect50% 1x0.65 smd: 1(-1.2,0.95) 2(-1.2,-0.95) 3(1.2,0)
  silkscreen extent -1.32,-1.5 0.7,1.95, body extent -1.42,-1.52 1.42,1.52, height 1.12
MOL_0731000105 [mm] "Molex BNC Jack, TH Right Angle"
  round 2 hole 1: 1(0,-3.9)
  round 3 hole 1.8: 2(-3.8,3.9) 2(3.8,3.9)
  silkscreen extent -4.8,-0.3 4.8,8.5, body extent -4.83,-4.08 4.83,21.47, height 9.14
ON_SOT23_CPH3 [mm] "SOT23, 3-Leads, Body 2.90x2.80mm, Pitch 0.95mm, Height 0.95mm, IPC Medium Density"
  rrect50% 1x0.6 smd: 1(-1.35,0.95) 2(-1.35,-0.95) 3(1.35,0)
  silkscreen extent -1.48,-1.5 0.85,1.92, body extent -1.58,-1.5 1.58,1.5, height 0.95
PCIeX4-GF-2D-1000-1K-O64 [mm] "Golden finger, PCIeX4, Dual, Opposite, Pitch 1mm, 64-Position"
  rect 0.7x3.2 smd far side paste-1: A1(-9.5,0.5)
  rect 0.7x4.2 smd far side paste-1: A2(-8.5,0) A3(-7.5,0) A4(-6.5,0) A5(-5.5,0) A6(-4.5,0) A7(-3.5,0) A8(-2.5,0) A9(-1.5,0) A10(-0.5,0) A11(0.5,0) A12(3.5,0) A13(4.5,0) A14(5.5,0) A15(6.5,0) A16(7.5,0) A17(8.5,0) A18(9.5,0) A19(10.5,0) A20(11.5,0) A21(12.5,0) A22(13.5,0) A23(14.5,0) A24(15.5,0) A25(16.5,0) A26(17.5,0) A27(18.5,0) A28(19.5,0) A29(20.5,0) A30(21.5,0) A31(22.5,0) A32(23.5,0)
  rect 0.7x4.2 smd paste-1: B1(-9.5,0) B2(-8.5,0) B3(-7.5,0) B4(-6.5,0) B5(-5.5,0) B6(-4.5,0) B7(-3.5,0) B8(-2.5,0) B9(-1.5,0) B10(-0.5,0) B11(0.5,0) B12(3.5,0) B13(4.5,0) B14(5.5,0) B15(6.5,0) B16(7.5,0) B18(9.5,0) B19(10.5,0) B20(11.5,0) B21(12.5,0) B22(13.5,0) B23(14.5,0) B24(15.5,0) B25(16.5,0) B26(17.5,0) B27(18.5,0) B28(19.5,0) B29(20.5,0) B30(21.5,0) B32(23.5,0)
  rect 0.7x3.2 smd paste-1: B17(8.5,0.5) B31(22.5,0.5)
SAM_LSHM-130-XX.X-XX-DV-A-S [mm]
  rrect50% 0.3x1.5 smd: 1(7.25,-1.85) 2(7.25,1.85) 3(6.75,-1.85) 4(6.75,1.85) 5(6.25,-1.85) 6(6.25,1.85) 7(5.75,-1.85) 8(5.75,1.85) 9(5.25,-1.85) 10(5.25,1.85) 11(4.75,-1.85) 12(4.75,1.85) 13(4.25,-1.85) 14(4.25,1.85) 15(3.75,-1.85) 16(3.75,1.85) 17(3.25,-1.85) 18(3.25,1.85) 19(2.75,-1.85) 20(2.75,1.85) 21(2.25,-1.85) 22(2.25,1.85) 23(1.75,-1.85) 24(1.75,1.85) 25(1.25,-1.85) 26(1.25,1.85) 27(0.75,-1.85) 28(0.75,1.85) 29(0.25,-1.85) 30(0.25,1.85) 31(-0.25,-1.85) 32(-0.25,1.85) 33(-0.75,-1.85) 34(-0.75,1.85) 35(-1.25,-1.85) 36(-1.25,1.85) 37(-1.75,-1.85) 38(-1.75,1.85) 39(-2.25,-1.85) 40(-2.25,1.85) 41(-2.75,-1.85) 42(-2.75,1.85) 43(-3.25,-1.85) 44(-3.25,1.85) 45(-3.75,-1.85) 46(-3.75,1.85) 47(-4.25,-1.85) 48(-4.25,1.85) 49(-4.75,-1.85) 50(-4.75,1.85) 51(-5.25,-1.85) 52(-5.25,1.85) 53(-5.75,-1.85) 54(-5.75,1.85) 55(-6.25,-1.85) 56(-6.25,1.85) 57(-6.75,-1.85) 58(-6.75,1.85) 59(-7.25,-1.85) 60(-7.25,1.85)
  round 1.5 hole 1: 61(9.975,1.15) 62(-9.975,1.15)
  round 1.5 hole 1.5 unplated: ""(-8.5,-0.85) ""(8.5,-0.85)
  silkscreen extent -11.13,-3 11.13,3, body extent -10.4,-2.49 10.4,2.64, height 5.6